# KiCad board keyball61_right.kicad_pcb (continued)
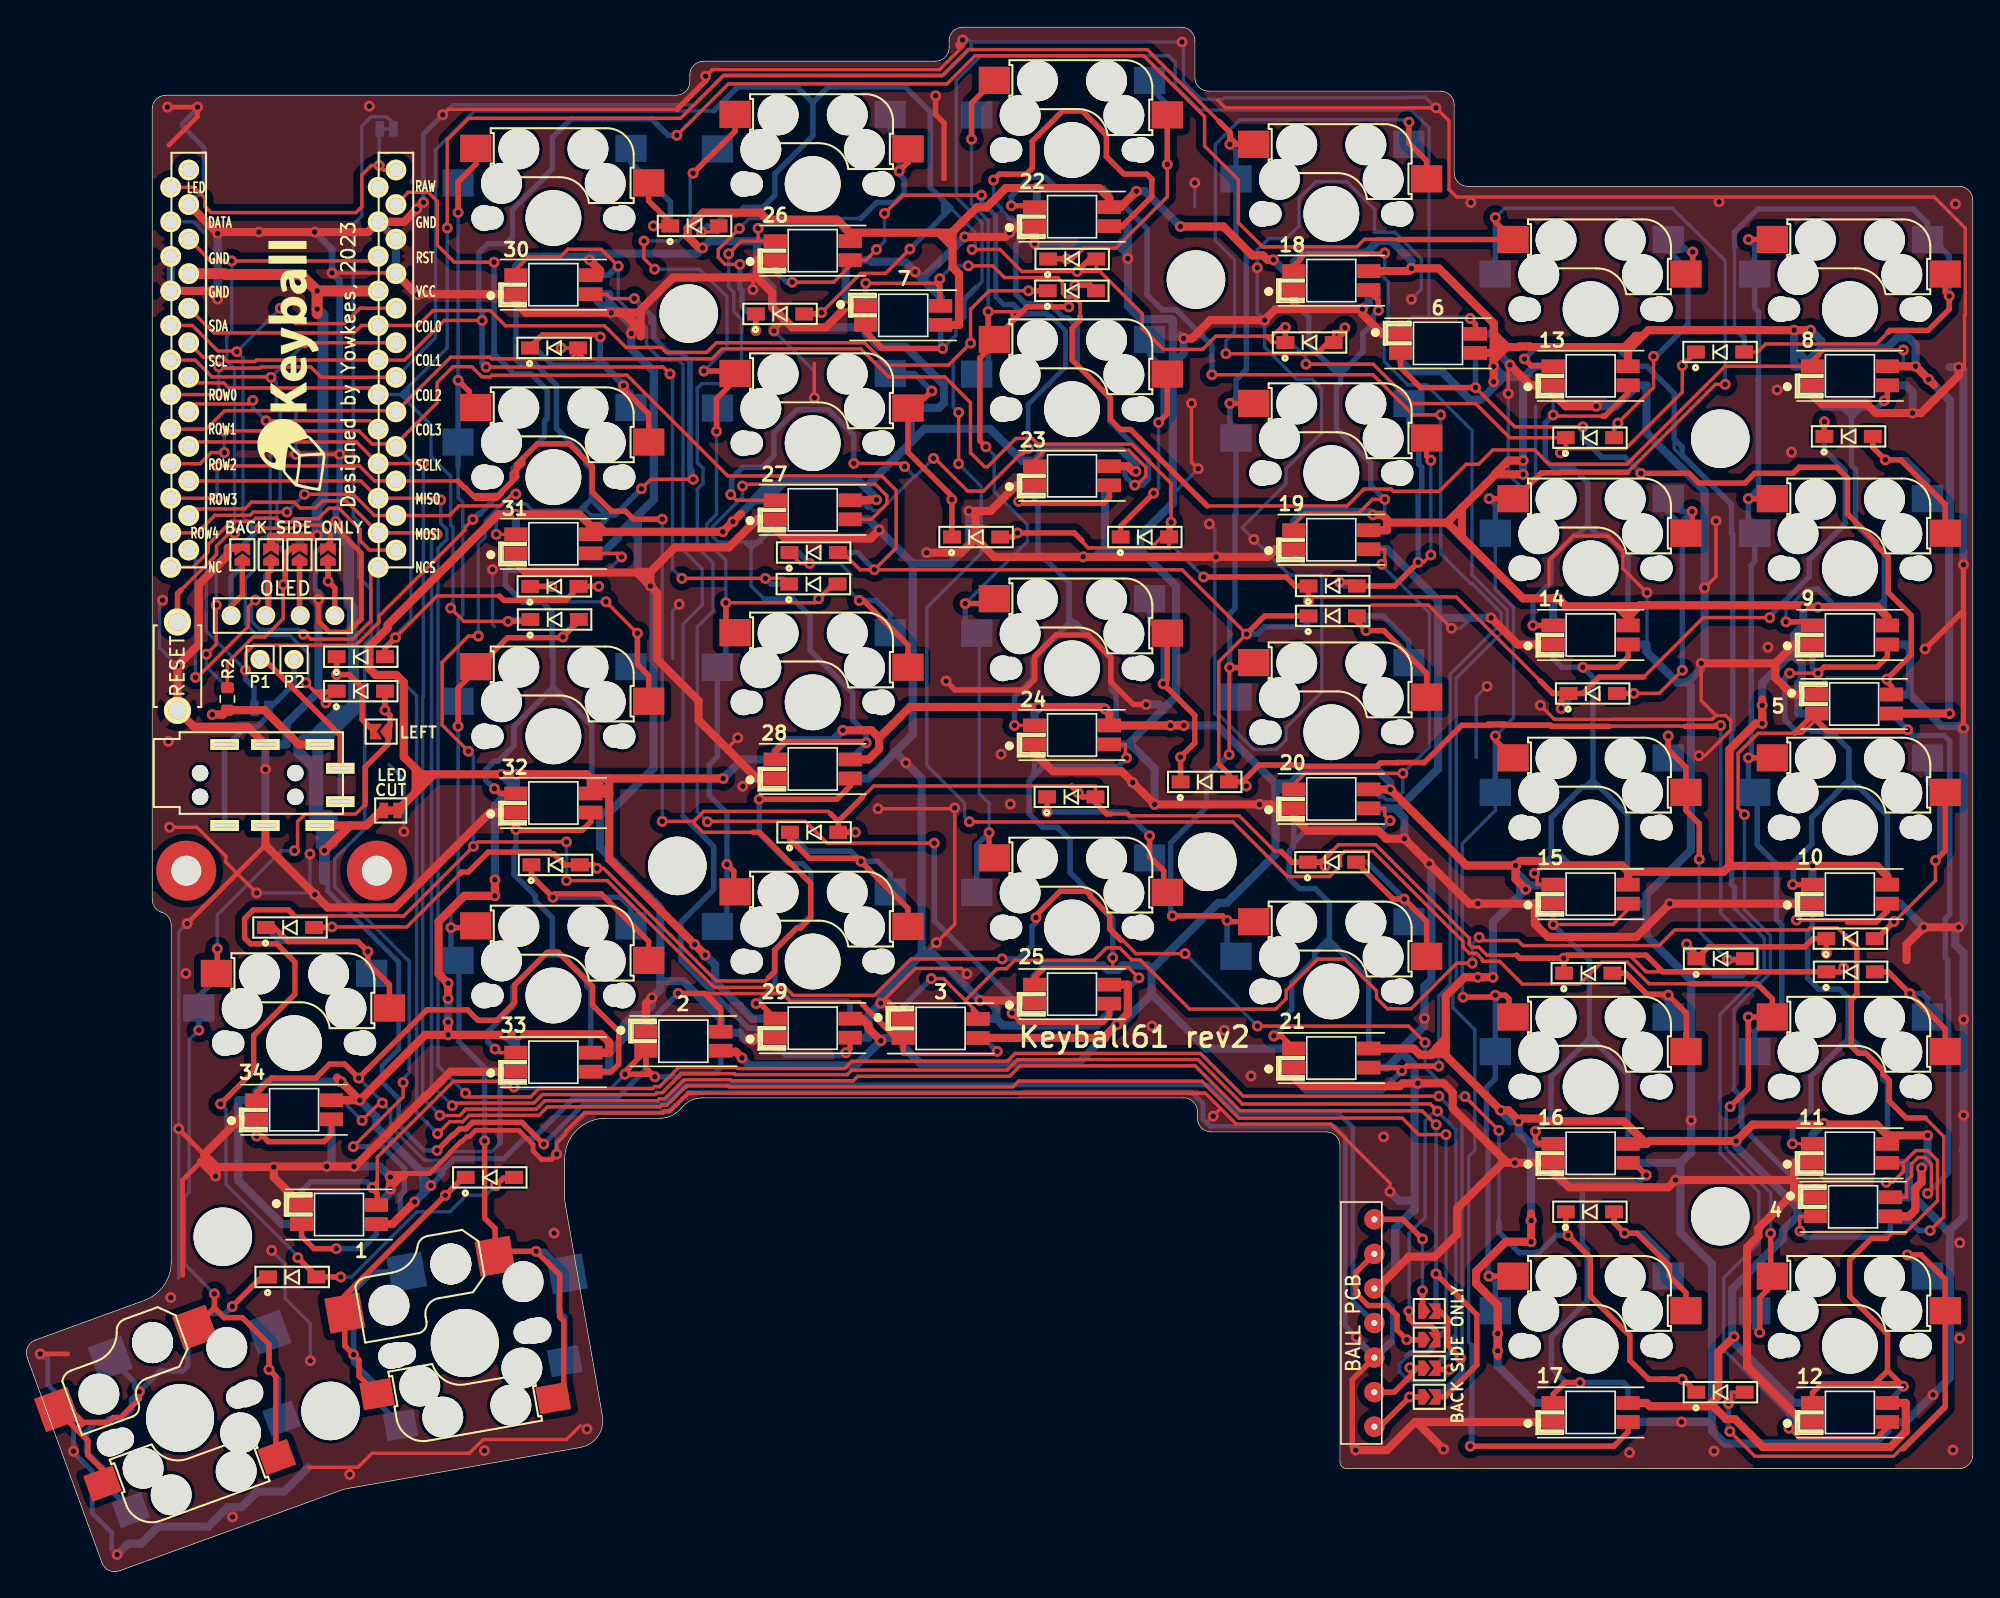
[diagram p0: board, top side]
## Routing (per net, layer and track width the routed paths; a pad name or vN(x,y) marks a point on that pad's centre or on a via; arc(x,y) is an arc through that point) (continued)
  Bottom w0.4: 45.45,38.15 45.45,36.86 43.38,34.79 40.18,34.79 37.17,31.78 36.5,31.78 35.01,30.29 31.35,30.29 30.51,29.45 ; 30.51,29.45 30.51,29.17 v1(29.65,28.32) 29.75,28.21 ; 30.51,29.45 28.86,29.45 28.64,29.67
  Bottom w0.6: v1(34.36,50.79) 34.36,56.25 35.25,57.14 32.1 ; v1(30.92,42.06) v1(30.92,40.33) ; v1(84.97,62.14) 84.88,62.14 ; v1(84.97,62.14) 87.43,62.14 91.7,57.86 ; v1(84.97,62.14) v1(83.99,62.14) ; 110.36,50.37 v1(110.08,50.1) 109.74,49.76 ; 110.36,50.37 112.04,50.37 15.1 ; 110.36,50.37 109.67,51.06 ; v1(127.46,62.29) v1(127.46,63.62) 127.46,65.25 129.46,67.25 129.8,67.25 ; v1(109.89,80.6) v1(109.89,81.61) 109.89,87.74 ; v1(110.48,24.19) v1(110.48,25.74) 110.48,31.39 ; v1(108.03,17.45) v1(108.03,16.17) 108.03,15.06 110.75,12.34 17.1 ; 64.91,82.94 65.91,83.94 70.74,83.94 73.08,81.6 74,81.6 ; 64.91,82.94 61.58,79.62 ; 64.91,82.94 64.91,84.89 65.5,85.49 66.98,85.49 67.35,85.86 67.35,87.16 64.54,89.97 62.56,89.97 61.6,90.93 61.6,91.41 ; v1(109.34,51.85) 109.34,51.39 109.67,51.06 ; v1(29.65,28.32) 29.07,27.74 29.09,27.75 29.09,28.88 ; v1(29.65,28.32) 29.09,28.88 ; v1(29.65,28.32) v1(28.46,27.12) ; 27.1 53.41,78.69 ; 27.1 54.95,79.37 55.64,80.06 61.15,80.06 61.58,79.62 ; 27.1 54.51,79.13 54.51,79.88 ; 53.41,78.69 v1(51.85,77.12) v1(51.1,76.37) ; 53.41,78.69 53.41,78.78 54.51,79.88 ; 129.8,89.45 129.8,88.54 130.46,88.54 ; 129.8,89.45 130.24,89.45 8.1 130.46,88.54 ; 129.8,89.45 v1(129.8,91.2) ; 108.44,87.74 108.1,87.4 v1(107.73,87.4) 107.73,87.02 ; 108.44,87.74 107.73,87.02 ; 108.44,87.74 108.52,87.74 ; v1(131.98,32.89) 131.15,32.06 11.1 ; 19.1 93.05,77.11 93.78,77.84 98.63,77.84 v1(98.85,77.62) ; 41.31,96.59 41.54,96.82 49.19,96.82 v1(49.61,97.24) 50.11,97.74 53.6,97.74 ; 41.31,96.59 36.65,96.59 35.9,95.85 30.1 ; 41.31,96.59 v1(41.31,96.37) ; 130.48,69.49 v1(130.48,70.84) 131.77,70.84 ; 130.48,69.49 9.1 ; 130.48,69.49 129.8,68.81 129.8,67.25 ; 130.46,88.54 131.81,89.89 ; 131.81,89.89 131.81,90.4 v1(131.01,91.2) ; 131.81,89.89 136.63,89.89 137.4,90.66 138.18,90.66 138.73,90.11 v1(138.73,88.54) v1(139.68,87.59) 141.25,86.01 141.25,76.57 141.18,76.5 141.18,62.99 ; 74,81.6 23.1 ; 74,81.6 74.44,82.04 74.44,82.31 74.7,82.57 80.2,82.57 81.44,81.33 v1(81.44,80.82) ; 14.1 112.1,71.13 v1(112.46,71.48) ; v1(74.17,101.64) 74.17,100.41 22.1 ; 29.09,29.22 27.11,31.2 27.08,31.2 25.65,32.63 25.65,33.37 v1(24.43,34.59) v1(23.07,35.95) 17.61,35.95 16.85,35.2 34.1 15.5,34.59 15.5,28.69 18.7,25.49 1.1 ; 29.09,29.22 29.09,28.88 ; 29.09,29.22 29.11,29.22 ; 110.48,31.39 110.43,31.39 109.56,32.26 v1(109.56,33.04) 108.97,33.04 108.24,33.76 v1(108.24,33.85) ; 110.48,31.39 16.1 ; 109.67,51.06 109.67,49.83 109.74,49.76 ; 32.1 35.9,58.58 v1(35.94,58.55) v1(34.82,58.55) 35.9,57.47 32.1 ; 109.89,87.74 109.95,87.74 110.75,88.54 13.1 ; 109.89,87.74 108.52,87.74 ; 82.6,42.39 80.35,40.15 v1(80.05,40.15) v1(79.07,39.16) 77.19,37.28 65.62,37.28 64.35,38.55 3.1 63,39.17 62.8,38.96 v1(62.71,38.96) 60.89,37.14 53.07,37.14 v1(52.51,37.7) ; 82.6,42.39 82.6,44.2 ; 82.6,42.39 86.6,38.39 21.1 ; 109.74,49.76 107.68,47.7 v1(107.68,43.63) 106.12,43.63 ; 54.51,79.88 55.45,79.88 55.63,80.06 ; 61.58,79.62 62.39,78.81 v1(62.39,78.73) ; 24.1 74,63.05 74.5,63.55 74.75,63.55 ; 20.1 91.7,57.44 ; 20.1 93.05,58.09 93.79,58.83 99.24,58.83 100.14,57.94 v1(100.14,57.44) ; 20.1 92.63,57.86 91.7,57.86 ; 91.7,57.44 91.7,57.86 ; 91.7,57.44 91.7,52.67 88.13,49.1 87.5,49.1 82.6,44.2 ; 129.8,67.25 130.38,66.67 130.38,65.5 130.11,65.23 130.11,63.01 5.1 ; 12.1 129.8,12.34 125.4,16.74 v1(125.4,17.22) 125.25,17.36 125.25,20.7 128.98,24.43 128.98,25 130.03,26.05 ; 82.6,44.2 82.3,44.5 80.45,44.5 80.12,44.17 79.38,44.17 79.04,44.5 74.81,44.5 74,43.7 25.1 ; 53.6,97.74 53.6,95.44 54.73,94.31 54.73,92.9 56.22,91.41 61.6,91.41 ; 53.6,97.74 26.1 ; 130.03,26.05 4.1 ; 130.03,26.05 130.03,26.72 125.54,31.21 v1(125.54,31.59) ; v1(107.73,88.52) 108.52,87.74 ; 36.46,39.4 v1(35.1,39.4) 35.9,38.59 33.1 35.9,39.25 v1(36.05,39.4) ; 6.1 100.89,88.92 101.64,88.17 103.9,88.17 106.01,86.06 106.77,86.06 107.73,87.02 ; 61.6,91.41 7.1 ; v1(49.8,45.27) 50.54,44.53 50.54,43.31 53.26,40.59 29.1 ; 74.75,63.49 79.03,63.49 v1(79.17,63.35) ; v1(139.16,29.61) 139.61,30.05 v1(139.61,32.01) ; v1(101.69,95.74) 101.69,96.28 100.21,97.76 99.23,97.76 98.35,96.89 93.76,96.89 93.05,96.18 18.1 92.37,95.54 v1(91.54,96.37) ; v1(51.12,58.24) 52.52,59.64 28.1 54.95,60.26 55.75,61.05 59.18,61.05 v1(59.92,61.78) ; v1(81.48,101.41) 82.11,101.41 v1(84.71,98.81) ; 10.1 v1(131.15,51.81) ; 31.1 v1(35.9,77.66)
Net-(JP20-Pad2): length 103.2
  Top w0.25: 23.88,31.1 v1(23.96,31.18) 27.61,34.84 v1(27.61,35.89) ; 20.15,25.1 1.4 20.06,25.4
  Top w0.4: 1.4 20.15,24.59 21.06,23.68 v1(22.7,23.68)
  Bottom w0.25: 27.61,35.71 v1(27.61,35.89) 27.61,36.16 28.06,36.6 28.06,44.8 22.59,50.27 22.59,52.35 24.79,54.55 24.79,68.13 24.82,68.13 25.28,68.6 25.28,72.11 24.8,72.59 24.79,72.59 24.35,73.03 24.35,77.11 23.95,77.51 23.95,98.95 24.58,99.59 24.58,106.2 25.27,106.89 26.41,106.89 26.92,106.37 26.92,105.99 ; v1(22.7,23.68) 22.63,23.68 ; 26.92,106.18 26.92,106
  Bottom w0.4: v1(23.96,31.18) 26.12,31.18 27.71,29.58 27.71,27.91 27.41,27.6 27.41,26.14 26.75,25.49 1.4 25.65,24.74 24.59,23.68 v1(22.7,23.68)
Net-(LED1-Pad2): length 47.5
  Top w0.25: 44.28,36.87 v1(43.91,36.5) ; v1(35.75,35.56) 35.06,35.56 34.64,35.98 31.3,35.98 28.17,32.85 28.16,32.85 25.71,30.4 25.71,28.65 ; 26.06,26.89 1.2 25.65,27.26 ; 25.71,28.65 25.71,27.72 ; 25.71,28.65 25.36,28.3 v1(25.36,28.17)
  Top w0.4: 1.2 25.71,26.95 25.71,27.72 25.36,28.07 v1(25.36,28.17) ; v1(43.91,36.5) 43.91,36.69 2.4 45.45,36.97 v1(46.11,36.31) 45.92,36.5 v1(43.91,36.5)
  Bottom w0.25: v1(35.75,35.56) 35.86,35.45 42.86,35.45 v1(43.91,36.5) ; 50.95,37.76 50.95,38.15
  Bottom w0.4: v1(25.36,28.17) 24.92,28.61 20.85,28.61 20.15,27.91 1.2 ; v1(46.11,36.31) 47.8,36.31 48.05,36.57 50.51,36.57 50.95,37.01 50.95,38.23
Net-(LED2-Pad2): length 47.6
  Top w0.25: 49.95,42.44 49.96,42.43 55.47,42.43 56.08,41.82 61.16,41.82 61.68,41.31 ; 49.95,42.44 50.95,41.44 50.95,39.55 ; 49.95,42.44 v1(47.83,42.44) ; 61.53,41.46 61.68,41.31 ; 61.68,41.31 63.82,39.17 3.4 ; 64.35,38.17 64.35,37.96 71.03,37.96 v1(71.26,38.18)
  Top w0.4: v1(47.83,42.44) 49.74,42.44 50.95,41.23 50.95,39.63 ; 61.38,41.61 63.82,39.17 3.4 64.35,38.17
  Bottom w0.25: v1(47.83,42.44) 45.45,40.07 45.45,39.55
  Bottom w0.4: v1(71.26,38.18) 70.27,39.17 3.4 ; 45.83,40.45 45.83,40.01 2.2 ; 46.33,40.94 v1(47.83,42.44)
Net-(LED3-Pad2): length 127.7
  Top w0.25: 3.2 69.85,40.99 68.92,41.93 ; v1(106.66,46.57) 106.66,46.33 109.5,46.33 109.87,45.96 119.89,45.96 121.03,47.1 130.83,47.1 131,47.27 132.98,47.27 133.59,46.66 ; v1(106.16,44.67) 105.02,44.67 101.66,41.31 99.92,41.31 99.13,42.1 99.13,42.62 96.78,44.97 94.8,44.97 92.49,42.65 92.49,42.06 91.72,41.29 85.39,41.29 81.78,44.91 81.14,44.91 80.25,45.8 79.29,45.8 78.37,44.88 72.55,44.88 71.92,44.25 71.25,44.25 68.92,41.93 ; 4.4 130.21,26.05 130.21,25 v1(130.24,24.97) ; 68.92,41.93 67.31,43.53 v1(66.42,43.53) ; v1(139.79,25.01) 140.8,26.01 140.8,31.93 139.44,33.29
  Top w0.4: 69.49,41.24 69.59,41.14 69.59,40.95 69.85,40.69 3.2 ; 133.59,46.66 134.42,45.83 134.42,42.38 134,41.97 134,38.57 134.53,38.04 135.08,38.04 136.35,36.76 136.35,36.5 136.79,36.06 136.79,34.53 138.03,33.29 139.44,33.29
  Bottom w0.25: v1(106.66,46.57) 106.16,46.06 v1(106.16,44.67) ; 130.33,24.88 v1(130.24,24.97) ; 4.4 136.88,25.67 138.31,25.67
  Bottom w0.4: v1(139.79,25.01) 138.98,25.01 138.31,25.67 137.27,25.67 4.4 136.88,25 136.41,24.53 130.68,24.53 v1(130.24,24.97) ; v1(66.42,43.53) 64.35,41.47 3.2
Net-(LED4-Pad2): length 110.9
  Top w0.25: v1(138.14,61.83) 132.27,61.83 131.46,62.63 ; 131.46,62.63 130.39,61.56 127.16,61.56 125.68,60.09 125.68,56.06 v1(126.16,55.59) ; 131.46,62.63 5.4 ; v1(139.61,27.74) 139.89,28.02 139.89,29.91 139.41,30.38 138.91,30.38 138.44,29.91 138.44,29.01 138.06,28.63 138.06,27.45 4.2
  Top w0.4: v1(138.14,61.83) 138.01,61.7 132.22,61.7 131.46,62.46 5.4 131.29,63.01 129.84,61.56
  Bottom w0.25: v1(126.16,55.59) 126.16,48.6 128.05,46.71 128.05,43.95 125.39,41.28 125.39,35.45 ; 138.57,61.4 v1(138.14,61.83) ; 125.96,32.83 125.83,32.97 125.83,34.42
  Bottom w0.4: 5.4 136.96,63 v1(138.14,61.83) 138.57,61.4 140.83,61.4 141.23,61 141.23,48.25 140.91,47.93 140.91,45.09 141.08,44.92 141.08,42.1 141.15,42.03 141.15,29.28 v1(139.61,27.74) ; 125.96,32.83 125.96,32.66 ; 125.96,32.66 131.17,27.45 4.2 ; 125.96,32.66 125.96,34.8 125.39,35.37 125.39,35.45
Net-(LED5-Pad2): length 67.1
  Top w0.25: v1(106.39,86.97) 109.28,84.09 v1(114.28,84.09)
  Top w0.4: 6.4 100.89,88.44 102.36,86.97 v1(106.39,86.97) ; 5.2 136.96,65.01 136.61,65.36 v1(136.61,65.54) 138.4,67.34 138.4,70.23 136.71,71.92 136.71,74.51 135.81,75.41 135.81,75.61 133.72,77.7 133.72,80.33 132.93,81.12 130.17,81.12 129.73,80.67 126.91,80.67 126.19,79.95 122.81,79.95 122.09,80.67 v1(118.55,80.67)
  Bottom w0.25: v1(136.61,65.54) 136.52,65.63 132.22,65.63 131.46,64.87 5.2
  Bottom w0.4: 131.41,64.41 5.2 131.78,64.73 131.78,65.18 131.94,65.18 131.95,65.2 ; v1(114.28,84.09) 114.28,83.25 115.67,81.86 117.36,81.86 v1(118.55,80.67) ; 6.4 v1(106.39,86.97)
Net-(LED6-Pad2): length 99.6
  Top w0.25: 61.86,90.92 62.94,89.85 v1(67.25,89.85)
  Top w0.4: 6.2 106.39,91.64 106.01,92.02 v1(106.01,92.06) ; v1(67.25,89.85) 62.79,89.85 61.6,91.03 7.4 61.6,91.18 61.86,90.92
  Bottom w0.25: 68.81,92.16 68.23,91.58 ; 68.23,91.58 68.23,90.83 v1(67.25,89.85) ; 68.23,91.58 7.4 ; 102.98,92.15 101.73,92.15 100.89,91.31 6.2 ; 102.98,92.15 105.92,92.15 v1(106.01,92.06) ; 102.98,92.15 102.98,106.06 101.67,107.37 86.12,107.37 84.33,109.16 84.33,110.9 83.87,111.36 70.05,111.36 68.26,109.57 68.26,100.95 70.14,99.07 70.14,94.76 69.7,94.32
  Bottom w0.4: v1(67.25,89.85) 67.1,90 7.4 68.23,91.58 68.81,92.16 68.81,93.42 69.7,94.32
Net-(LED7-Pad2): length 102.6
  Top w0.25: v1(137.83,89.74) 131.98,89.74 131.61,89.36 ; v1(69.14,95.92) 70.93,95.92 71.79,95.06 75.71,95.06 76.05,94.72 76.05,93.88 76.3,93.63 76.86,93.63 77.34,93.15 77.34,92.21 ; 7.2 67.1,94.24 66.7,94.64 ; v1(61.6,94.64) 66.7,94.64 ; 66.7,94.64 v1(67.04,94.98) ; 86.68,78.27 96.96,78.27 98.21,79.51 100.19,79.51 100.35,79.35 103.73,79.35 105.72,81.34 106.63,81.34 107.67,82.39 110.74,82.39 111.79,81.34 117.52,81.34 124.72,88.54 8.4
  Top w0.4: 131.61,89.36 131.15,88.91 8.4 ; 77.34,92.21 77.34,91.92 76.76,91.34 76.76,89.01 79.58,86.19 79.58,84.62 80.31,83.89 81.06,83.89 86.68,78.27 ; v1(67.04,94.98) 67.04,93.05 7.2
  Bottom w0.25: 8.4 137.83,88.54 v1(137.83,89.74) ; v1(67.04,94.98) 67.98,95.92 v1(69.14,95.92)
  Bottom w0.4: v1(61.6,94.64) 7.2
Net-(LED8-Pad2): length 40.3
  Top w0.4: 8.2 136.65,86.24 v1(136.41,86) ; 9.4 130.89,69.76 v1(129.21,69.76)
  Bottom w0.25: 131.19,72.16 130.74,72.16 130.18,71.6 129.21,70.63 v1(129.21,69.76) ; 136.44,71.29 136.31,71.29 ; 8.2 131.15,86.75
  Bottom w0.4: 134.02,84.85 134.11,84.85 134.73,85.48 ; 134.02,84.85 133.5,85.37 133.5,85.48 ; 134.02,84.85 134.02,81.24 134.31,80.95 134.31,76.91 136.44,74.78 136.44,71.39 ; 134.02,84.85 134.02,85.48 ; 135.91,71.02 135.91,70.95 136.44,70.42 ; 135.91,71.02 136.37,71.02 136.44,70.95 ; 135.91,71.02 135.67,71.02 ; 136.44,71.39 136.44,70.95 ; 136.44,71.39 136.07,71.02 135.67,71.02 ; 9.4 136.44,69.7 136.44,70.42 ; 136.44,70.95 136.44,70.42 ; 133.5,85.48 134.02,85.48 ; 133.5,85.48 131.96,85.48 131.15,86.28 8.2 ; 135.67,71.02 132.68,71.02 131.54,72.16 131.19,72.16 ; 134.02,85.48 134.73,85.48 ; 134.73,85.48 135.89,85.48 v1(136.41,86)
Net-(LED10-Pad2): length 50.9
  Top w0.25: v1(129.68,31.39) 11.4 ; 10.2 136.65,48.66 135.83,47.84 v1(129.98,47.84)
  Top w0.4: 133.72,47.68 135.84,47.68 136.65,48.49 10.2
  Bottom w0.25: 133.77,38.64 133.39,38.64 131.26,36.51 ; 129.68,31.89 v1(129.68,31.39)
  Bottom w0.4: 133.32,38.64 131.04,36.35 131.04,33.91 129.68,32.55 v1(129.68,31.39) ; 133.32,38.64 133.77,38.64 ; 133.32,38.64 133.77,39.08 133.77,39.33 ; 134.48,38.64 136.32,36.8 136.32,36.16 136.38,36.16 136.66,35.87 136.66,31.4 11.4 ; 134.48,38.64 133.79,39.33 133.77,39.33 ; 134.48,38.64 133.77,38.64 ; 133.77,39.33 133.77,42.16 133.17,42.75 131.61,42.75 130.79,43.57 130.79,46.94 131.15,47.3 10.2 129.98,47.86 v1(129.98,47.84) ; 133.77,39.33 133.77,38.64
Net-(LED10-Pad4): length 48.5
  Top w0.25: v1(131.55,65.98) v1(129.48,65.98)
  Top w0.4: v1(129.7,50.44) 10.4 ; v1(131.55,65.98) 132,66.43 135.89,66.43 136.65,67.19 9.2
  Bottom w0.25: 133.83,57.61 133.38,57.61 131.26,55.49 ; 129.7,51.4 v1(129.7,50.44)
  Bottom w0.4: 132.82,57.09 132.82,57.14 133.57,57.88 ; 132.82,57.09 131.09,55.37 131.09,53.4 129.75,52.06 129.75,50.5 v1(129.7,50.44) ; 132.82,57.09 133.05,57.32 ; v1(129.48,65.98) 129.11,65.61 129.11,62.56 129.83,61.84 130.94,61.84 131.08,61.7 131.97,61.7 132.28,61.39 132.82,61.39 133.83,60.38 133.83,58.15 ; 134.56,57.61 134.36,57.61 133.83,58.15 ; 134.56,57.61 136.65,55.52 10.4 ; 134.56,57.61 133.83,57.61 133.83,58.15 ; v1(131.55,65.98) 131.15,66.38 9.2 ; 133.57,57.88 133.38,57.7 133.38,57.61 ; 133.57,57.88 133.83,58.15
Net-(LED11-Pad2): length 46.2
  Top w0.25: 136.61,24.43 136.99,24.81 137.95,24.81 140.34,27.2 140.34,30.16 139.61,30.89 138.73,30.89 137.83,29.99 ; 12.4 131.15,12.78 ; 137.83,29.99 137.83,29.35 137.04,28.56 v1(136.57,28.56) ; 137.83,29.99 11.2
  Top w0.4: 135.7,13.74 131.8,13.74 131.15,13.09 12.4 ; 135.7,13.74 136.66,14.7 136.66,14.73 ; 135.7,13.74 137.66,13.74 v1(137.83,13.57) 136.66,14.73 ; 136.66,14.73 136.66,17.4 133.88,20.18 133.88,22.84 135.47,24.43 136.61,24.43
  Bottom w0.25: v1(136.57,28.56) 136.37,28.76 132.01,28.76 131.15,29.62 11.2
  Bottom w0.4: 12.4 137.83,13.51 v1(137.83,13.57)
Net-(LED12-Pad2): length 122.3
  Top w0.25: v1(129.43,10.48) 130.15,9.75 135.86,9.75 136.65,10.55 12.2
  Top w0.4: 136.16,10.06 136.65,10.55 12.2 ; 13.4 112.06,88.58 110.49,88.58 v1(109.99,89.08)
  Bottom w0.25: 120.99,84.38 120.99,82.49 125.2,78.28 ; 12.2 129.89,10.94 ; 125.43,48.7 127.6,46.52 127.6,44.13 124.37,40.89 124.37,30.71 126.87,28.2 126.87,28.19 127.21,27.85 127.21,24.13 124.63,21.54 124.63,16.26 129.43,11.46 v1(129.43,10.48)
  Bottom w0.4: 125.2,78.38 121.58,82.01 121.58,82.61 120.99,83.19 120.99,84.58 ; 125.2,78.38 125.2,78.28 ; 125.2,78.38 125.2,76.28 125.29,76.19 125.29,61.84 125.2,61.75 125.2,50.45 125.43,50.22 125.43,48.7 ; 120.99,84.58 120.99,84.38 ; 120.99,84.58 120.99,86.53 118.98,88.54 13.4 117.6,89.09 116.78,89.91 110.82,89.91 v1(109.99,89.08) ; 129.95,10.94 129.89,10.94 v1(129.43,10.48) 129.52,10.57 129.52,11.37 ; 129.95,10.94 129.52,11.37 ; 129.95,10.94 12.2 ; 129.52,11.37 129.32,11.57
Net-(LED13-Pad2): length 46.2
  Top w0.25: v1(112.1,84.96) 112.19,84.88 115.72,84.88
  Top w0.4: v1(110.62,69.49) 14.4 ; 13.2 117.6,86.58 115.9,84.88 115.72,84.88
  Bottom w0.25: 113.85,76.1 115.8,76.1 ; 111.85,84.71 v1(112.1,84.96) 13.2 ; 14.4 117.6,74.3
  Bottom w0.4: 114.65,76.89 114.65,79.96 113.55,81.06 112.14,81.06 111.52,81.68 111.52,84.38 v1(112.1,84.96) ; 114.65,76.89 114.65,76.86 115.37,76.14 116.03,76.14 117.6,74.57 14.4 ; 114.65,76.89 113.9,76.14 113.68,76.14 111.95,74.42 111.95,72.66 110.62,71.32 v1(110.62,69.49)
Net-(LED14-Pad2): length 51.7
  Top w0.25: 15.4 110.93,50.44 110.93,51.07 v1(110.73,51.27)
  Top w0.4: v1(114.29,66.42) 116.83,66.42 117.6,67.19 14.2
  Bottom w0.25: 112.21,55.54 114.29,57.61 115.3,57.61 ; 112.21,52.76 v1(110.73,51.27)
  Bottom w0.4: 114.92,57.61 115.02,57.72 115.02,58.15 ; 114.92,57.61 114.47,57.61 ; 114.92,57.61 115.51,57.61 ; 111.96,53.27 111.96,53.06 112.51,52.51 ; 111.96,53.27 111.96,52.51 ; 111.96,53.27 111.96,55.38 114.2,57.61 114.47,57.61 ; 117.56,51.61 117.44,51.61 117.13,51.92 116.83,51.92 ; 117.56,51.61 117.56,52.13 ; 117.56,51.61 117.56,50.48 15.4 ; 112.51,52.51 111.96,52.51 ; 112.51,52.51 112.72,52.51 113.31,51.92 116.83,51.92 ; 117.56,52.13 117.56,55.56 115.51,57.61 ; 117.56,52.13 117.35,51.92 116.83,51.92 ; 114.47,57.61 114.49,57.61 115.02,58.15 ; 115.51,57.61 115.02,58.1 115.02,58.15 ; 111.96,52.51 v1(110.73,51.27) ; 115.02,58.15 115.02,65.68 v1(114.29,66.42) 112.73,66.42 112.1,67.05 14.2
Net-(LED15-Pad2): length 41.1
  Top w0.25: v1(112.1,47.51) 116.5,47.51 117.6,48.62 15.2
  Top w0.4: v1(110.8,32.3) 110.8,31.6 111,31.39 16.4
  Bottom w0.25: 114.2,45.41 v1(112.1,47.51)
  Bottom w0.4: 115.36,38.71 117.6,36.46 16.4 ; 115.36,38.71 115.27,38.62 114.26,38.62 ; 115.36,38.71 114.93,39.13 114.77,39.13 ; 114.77,39.13 114.77,44.84 v1(112.1,47.51) 15.2 ; 114.77,39.13 114.26,38.62 ; v1(110.8,32.3) 111.95,33.45 111.95,36.31 114.26,38.62
Net-(LED16-Pad2): length 40.5
  Top w0.4: 16.2 118.04,29.99 v1(118.94,29.09) ; v1(114.07,13.84) 112.97,13.84 112.1,12.97 17.4
  Bottom w0.25: 114.24,27.45 114.15,27.36 ; 118.67,28.81 v1(118.94,29.09) ; 16.2 112.1,29.58 ; 114.15,19.4 112.44,17.69
  Bottom w0.4: 17.4 117.6,13.51 117.27,13.84 v1(114.07,13.84) 113.02,13.84 111.97,14.89 111.97,17.2 114.6,19.83 114.6,23.62 114.24,23.98 114.24,27.95 ; 114.24,28.28 114.04,28.48 113.73,28.48 ; 114.24,28.28 114.24,28.48 ; 114.24,28.28 114.24,27.95 ; 114.24,28.48 113.73,28.48 ; 114.24,28.48 114.64,28.48 ; 113.73,28.48 112.71,28.48 112.1,29.09 16.2 ; 113.73,28.48 113.73,28.46 114.24,27.95 ; 114.64,28.48 114.64,28.35 114.24,27.95 ; 114.64,28.48 118.34,28.48 v1(118.94,29.09)
Net-(LED17-Pad2): length 128.2
  Top w0.25: v1(99.73,96.86) 94,96.86 93.05,95.92 18.4
  Top w0.4: 18.4 93.05,95.92 93.54,96.41 93.54,96.58 93.72,96.75 ; v1(106.02,9.16) 116.56,9.16 117.6,10.21 17.2
  Bottom w0.25: 99.2,95.54 99.99,94.76 99.99,91.9 99.68,91.59 99.68,88.92 101.43,87.17 102.79,87.17 106.14,83.82 106.14,73.22 108.74,70.62 108.74,69.36 104.98,65.6 104.98,42.92 104.73,42.67 104.73,41.4 106.34,39.78 106.34,30.91 105.89,30.46 105.89,16.81 106.14,16.56 ; 99.2,95.54 99.73,95.54 v1(99.73,96.86) ; 99.2,95.54 18.4 ; v1(106.02,9.16) 106.02,10.61 106.34,10.94 ; 106.14,12.57 106.02,12.44 106.02,11.27
  Bottom w0.4: 106.34,10.94 106.02,11.27 ; 106.34,10.94 17.2 ; 106.34,10.94 106.02,10.61 ; 106.14,16.56 106.14,9.28 v1(106.02,9.16)
Net-(LED18-Pad2): length 39.5
  Top w0.25: v1(99.73,78.76) 98.83,78.76 97.81,77.74 93.86,77.74 93.05,76.93 19.4
  Top w0.4: v1(99.26,92.64) 99.26,93.39 98.55,94.1 18.2
  Bottom w0.25: 19.4 99.73,76.49 v1(99.73,78.76) 99,79.49
  Bottom w0.4: v1(99.26,92.64) 98.88,92.27 98.88,91.73 98.12,90.97 98.12,89.63 96.89,88.4 ; 96.89,88.4 96.86,88.37 95.9,88.37 ; 96.89,88.4 96.51,88.01 96.51,87.8 96.48,87.8 ; 96.48,87.8 96.48,87.3 96.18,87.01 96.18,83.94 98.7,81.42 98.7,79.79 v1(99.73,78.76) ; 96.48,87.8 95.9,88.37 ; 95.9,88.37 94.15,90.12 94.15,92.14 93.05,93.24 18.2
Net-(LED19-Pad2): length 41.4
  Top w0.25: 19.2 99.73,75.09 99.73,74.19 v1(99.52,73.98) ; v1(101.06,58.61) 93.86,58.61 93.05,57.81 20.4
  Bottom w0.25: 99.52,73.91 103.01,70.42 103.01,60.57 v1(101.06,58.61) 101.06,57.25 100.47,56.66 99.84,56.66 99.07,57.44 20.4 ; 99.52,73.91 v1(99.52,73.98) ; 99.52,73.91 93.86,73.91 93.05,74.72 19.2
  Bottom w0.4: 20.4 98.85,57.44 99.35,56.95 99.44,56.95 99.45,56.94
Net-(LED20-Pad2): length 49.9
  Top w0.25: v1(100.12,55.14) 99.73,55.53 99.73,56.04 20.2
  Top w0.4: 21.4 92.12,39.32 v1(91.58,39.32)
  Bottom w0.25: 93.05,53.54 20.2 ; 99.8,54.82 v1(100.12,55.14) ; 98.55,40.22 98.55,43.26
  Bottom w0.4: 93.05,55.34 93.05,53.54 ; 93.05,55.34 93.05,55.21 93.96,54.3 ; 93.05,55.34 20.2 ; 93.05,53.54 93.81,54.3 93.96,54.3 ; 93.05,53.54 93.03,53.51 93.03,53.22 92.7,52.9 92.7,50.91 93.46,50.15 94.62,50.15 95.66,49.11 95.66,46.3 ; 21.4 98.55,43.46 96.04,45.98 ; 95.66,46.3 95.47,46.3 95.1,45.93 ; 95.66,46.3 95.72,46.3 96.04,45.98 ; 96.04,45.98 95.98,45.93 95.1,45.93 ; 93.96,54.3 99.28,54.3 v1(100.12,55.14) ; v1(91.58,39.32) 92.55,40.29 92.55,40.93 92.89,41.27 92.89,43.24 94.58,44.93 94.58,45.41 95.1,45.93
Net-(LED21-Pad2): length 121.9
  Top w0.25: v1(103.84,84.97) 101.82,84.97 98.87,87.92 v1(87.03,87.92)
  Top w0.4: v1(72.29,100.34) 73.9,100.34 22.4 ; v1(103.7,37.1) 101.33,37.1 v1(100.99,36.76) 100.75,36.99 21.2
  Bottom w0.25: 82.27,93.8 83.44,92.63 84.56,92.63 87.03,90.16 v1(87.03,87.92) ; v1(103.84,84.97) 103.84,74.77 106.02,72.58 106.14,72.58 108.29,70.43 108.29,69.66 104.53,65.9 104.53,43.1 103.7,42.27 v1(103.7,37.1)
  Bottom w0.4: 21.2 93.05,36.14 93.92,35.27 99.5,35.27 v1(100.99,36.76) ; 83.36,92.71 83.44,92.71 ; 83.36,92.71 84.37,92.71 87.03,90.05 v1(87.03,87.92) ; 83.36,92.71 82.27,93.8 82.27,98.65 80.68,100.24 22.4 79.5,101.23 79.06,101.67 75.57,101.67 74.8,102.44 73.69,102.44 72.29,101.04 v1(72.29,100.34)
Net-(LED22-Pad2): length 75.6
  Top w0.25: v1(70.98,102.23) 70.88,102.13 ; v1(81.37,79.8) 81.5,79.8 82.18,80.48 82.18,81.12 80.93,82.36 74.76,82.36 74,81.61 23.4 ; 80.56,102.67 80.49,102.74 ; 22.2 79.5,98.47
  Top w0.4: 80.49,102.74 79.28,103.95 79.28,105.54 77.51,107.31 76.06,107.31 73.83,105.08 73.83,103.11 73.38,102.66 71.41,102.66 v1(70.98,102.23) ; 22.2 80.44,98.84 82.61,101.01 82.61,102.3 82.24,102.67 80.56,102.67
  Bottom w0.25: 73.99,98.83 22.2 ; 80.68,80.49 v1(81.37,79.8) ; 72.16,99.43 71.57,100.02 71.57,100.15 70.98,100.74 v1(70.98,102.23) ; 72.63,97.47 72.63,93.94 73.4,93.17 74.95,93.17
  Bottom w0.35: 80.73,80.38 81.31,79.8 v1(81.37,79.8)
  Bottom w0.4: 75.07,93.17 76.13,92.11 76.46,92.11 77.14,91.43 77.14,88.62 79.53,86.23 79.53,84.52 82.37,81.67 82.37,80.25 81.93,79.8 v1(81.37,79.8) ; 75.07,93.17 73.29,93.17 72.63,93.83 72.63,97.47 22.2 72.88,98.84 72.29,99.43 72.16,99.43 ; 75.07,93.17 74.95,93.17 ; 80.64,80.57 80.64,80.95 80.4,81.19 23.4
Net-(LED23-Pad2): length 42.7
  Top w0.25: 24.4 v1(72.53,62.14)
  Top w0.4: v1(72.83,78.61) 72.96,78.48 79.09,78.48 79.5,78.89 23.2
  Bottom w0.25: 75.47,68.6 76.19,69.31
  Bottom w0.4: 75.32,68.45 75.47,68.6 ; 75.32,68.45 76.54,69.67 ; 75.32,68.45 75.32,68.42 73.88,66.97 73.88,65.58 72.53,64.23 v1(72.53,62.14) ; 77.05,69.67 79.63,67.09 79.63,64.75 79.97,64.41 79.99,64.41 79.99,62.63 24.4 ; 77.05,69.67 76.54,69.67 ; 77.05,69.67 76.88,69.67 76.54,70.01 ; 76.54,69.67 76.54,70.01 ; v1(72.83,78.61) 23.2 74,78.54 74.25,78.29 74.25,74.85 74.82,74.28 74.89,74.28 76.54,72.63 76.54,70.01
Net-(LED24-Pad2): length 45.6
  Top w0.25: v1(81.67,43.59) 80.91,44.34 79.75,44.34 ; 24.2 80.68,60.74 80.68,59.83 v1(80.76,59.75) ; 79.75,44.34 v1(79.75,45.07) ; 79.75,44.34 74.82,44.34 74,43.53 25.4
  Top w0.4: 25.4 74,43.64 74.65,44.29
  Bottom w0.25: 73.95,55.3 74.6,54.66 ; 73.95,58.74 73.95,58.42 ; 24.2 74,60.34 ; 80.57,59.56 v1(80.76,59.75)
  Bottom w0.4: v1(80.76,59.75) 80.12,59.12 74.72,59.12 ; 73.95,58.42 73.6,58.07 73.6,55.65 74.6,54.66 75.67,54.66 76.61,53.72 76.61,51.32 78.11,49.82 78.11,49.56 79.75,47.92 v1(79.75,45.07) ; 73.95,58.42 73.95,58.74 ; 73.95,58.42 74.65,59.12 74.72,59.12 ; 74.72,59.12 74,59.84 24.2 74,58.79 ; v1(81.67,43.59) 81.17,43.09 25.4
Net-(LED25-Pad2): length 109.8
  Top w0.25: v1(66.64,53.49) 58.77,53.49 57.17,55.09 49.99,55.09 v1(49.96,55.06) ; 53.69,97.74 52.46,97.74 v1(51.53,96.81) ; 53.69,97.74 v1(53.69,98.68) ; 53.69,97.74 26.4
  Top w0.4: 25.2 79.5,40.79 79.03,40.32 73.03,40.32 v1(72.36,40.99)
  Bottom w0.25: v1(51.53,96.81) 51.53,94.36 51.9,93.99 51.9,92.57 52.47,92 52.47,88 51.73,87.26 49.56,87.26 49.23,86.93 49.23,81.45 49.65,81.03 49.65,79.93 49.23,79.51 49.23,75.25 50.37,74.1 50.37,70.54 49.23,69.39 49.23,55.8 v1(49.96,55.06) ; 26.4 60.45,98.12 59.64,98.93 53.94,98.93 v1(53.69,98.68) ; 66.64,47.99 v1(66.64,53.49)
  Bottom w0.4: 59.96,98.61 60.45,98.12 26.4 ; 72.4,42.04 72.75,41.69 25.2 72.94,41.69 72.94,41.58 v1(72.36,40.99) 72.36,42 72.4,42.04 ; 72.4,42.04 66.64,47.81 v1(66.64,53.49)
Net-(LED26-Pad2): length 90.8
  Top w0.25: v1(62.39,97.13) 61.63,96.36 61.63,96.34 26.2 60.45,95.92 59.25,94.72 v1(56.2,94.72) ; v1(60.73,81.4) 64.22,81.4 v1(64.46,81.17) ; v1(62.98,99.78) 64.32,101.12 v1(70.1,101.12) ; v1(66.57,81.77) 66.69,81.77 69.09,79.36 70.24,79.36 72.98,82.1 73.14,82.1 v1(73.54,82.5) ; v1(51.68,79.11) 52.11,78.69 27.4
  Bottom w0.25: v1(66.57,81.77) 65.25,80.44 65.18,80.44 ; 73.54,85.74 v1(73.54,82.5) ; 65.18,80.44 v1(64.46,81.17) ; 65.18,80.44 62.67,77.94 62.16,77.94 61.63,78.47 61.63,78.69 27.4 ; v1(62.39,97.13) 62.98,97.72 v1(62.98,99.78) ; 71.06,99.68 71.15,99.59
  Bottom w0.35: 71.72,93.08 71.15,93.65 71.15,99.59 ; 73.54,85.75 v1(73.54,82.5) ; 73.54,85.75 76.27,88.48 76.27,91.15 75.22,92.21 75.07,92.21 ; 73.54,85.75 73.54,85.74 ; 71.06,99.68 70.1,100.64 v1(70.1,101.12)
  Bottom w0.4: v1(51.68,79.11) 51.68,79.37 51.75,79.43 51.75,80.3 52.55,81.11 53.99,81.11 54.86,81.98 54.86,83.68 56.53,85.34 58.88,85.34 60.73,83.49 v1(60.73,81.4) ; 27.4 61.22,78.69 61.75,78.16 ; v1(56.2,94.72) 55.8,94.72 54.95,95.57 26.2 ; 75.07,92.21 74.88,92.4 73.11,92.4 72.43,93.08 71.72,93.08
